# Altium PCB LimeSDR-QPCIe_1v2.PcbDoc (part 20 of 21)
Units mm, origin at the board's own origin, x right, y up, seen from the top; angles counter-clockwise.
Board outline 190 x 111.15 mm, 14 copper layers (Top, L2, L3, L4, L5, L6, L7, L8, L9, L10, L11, L12, L13, Bottom), stack 1.907 mm thick; 2014 components, 1408 nets, 9111 pads, 4171 vias.
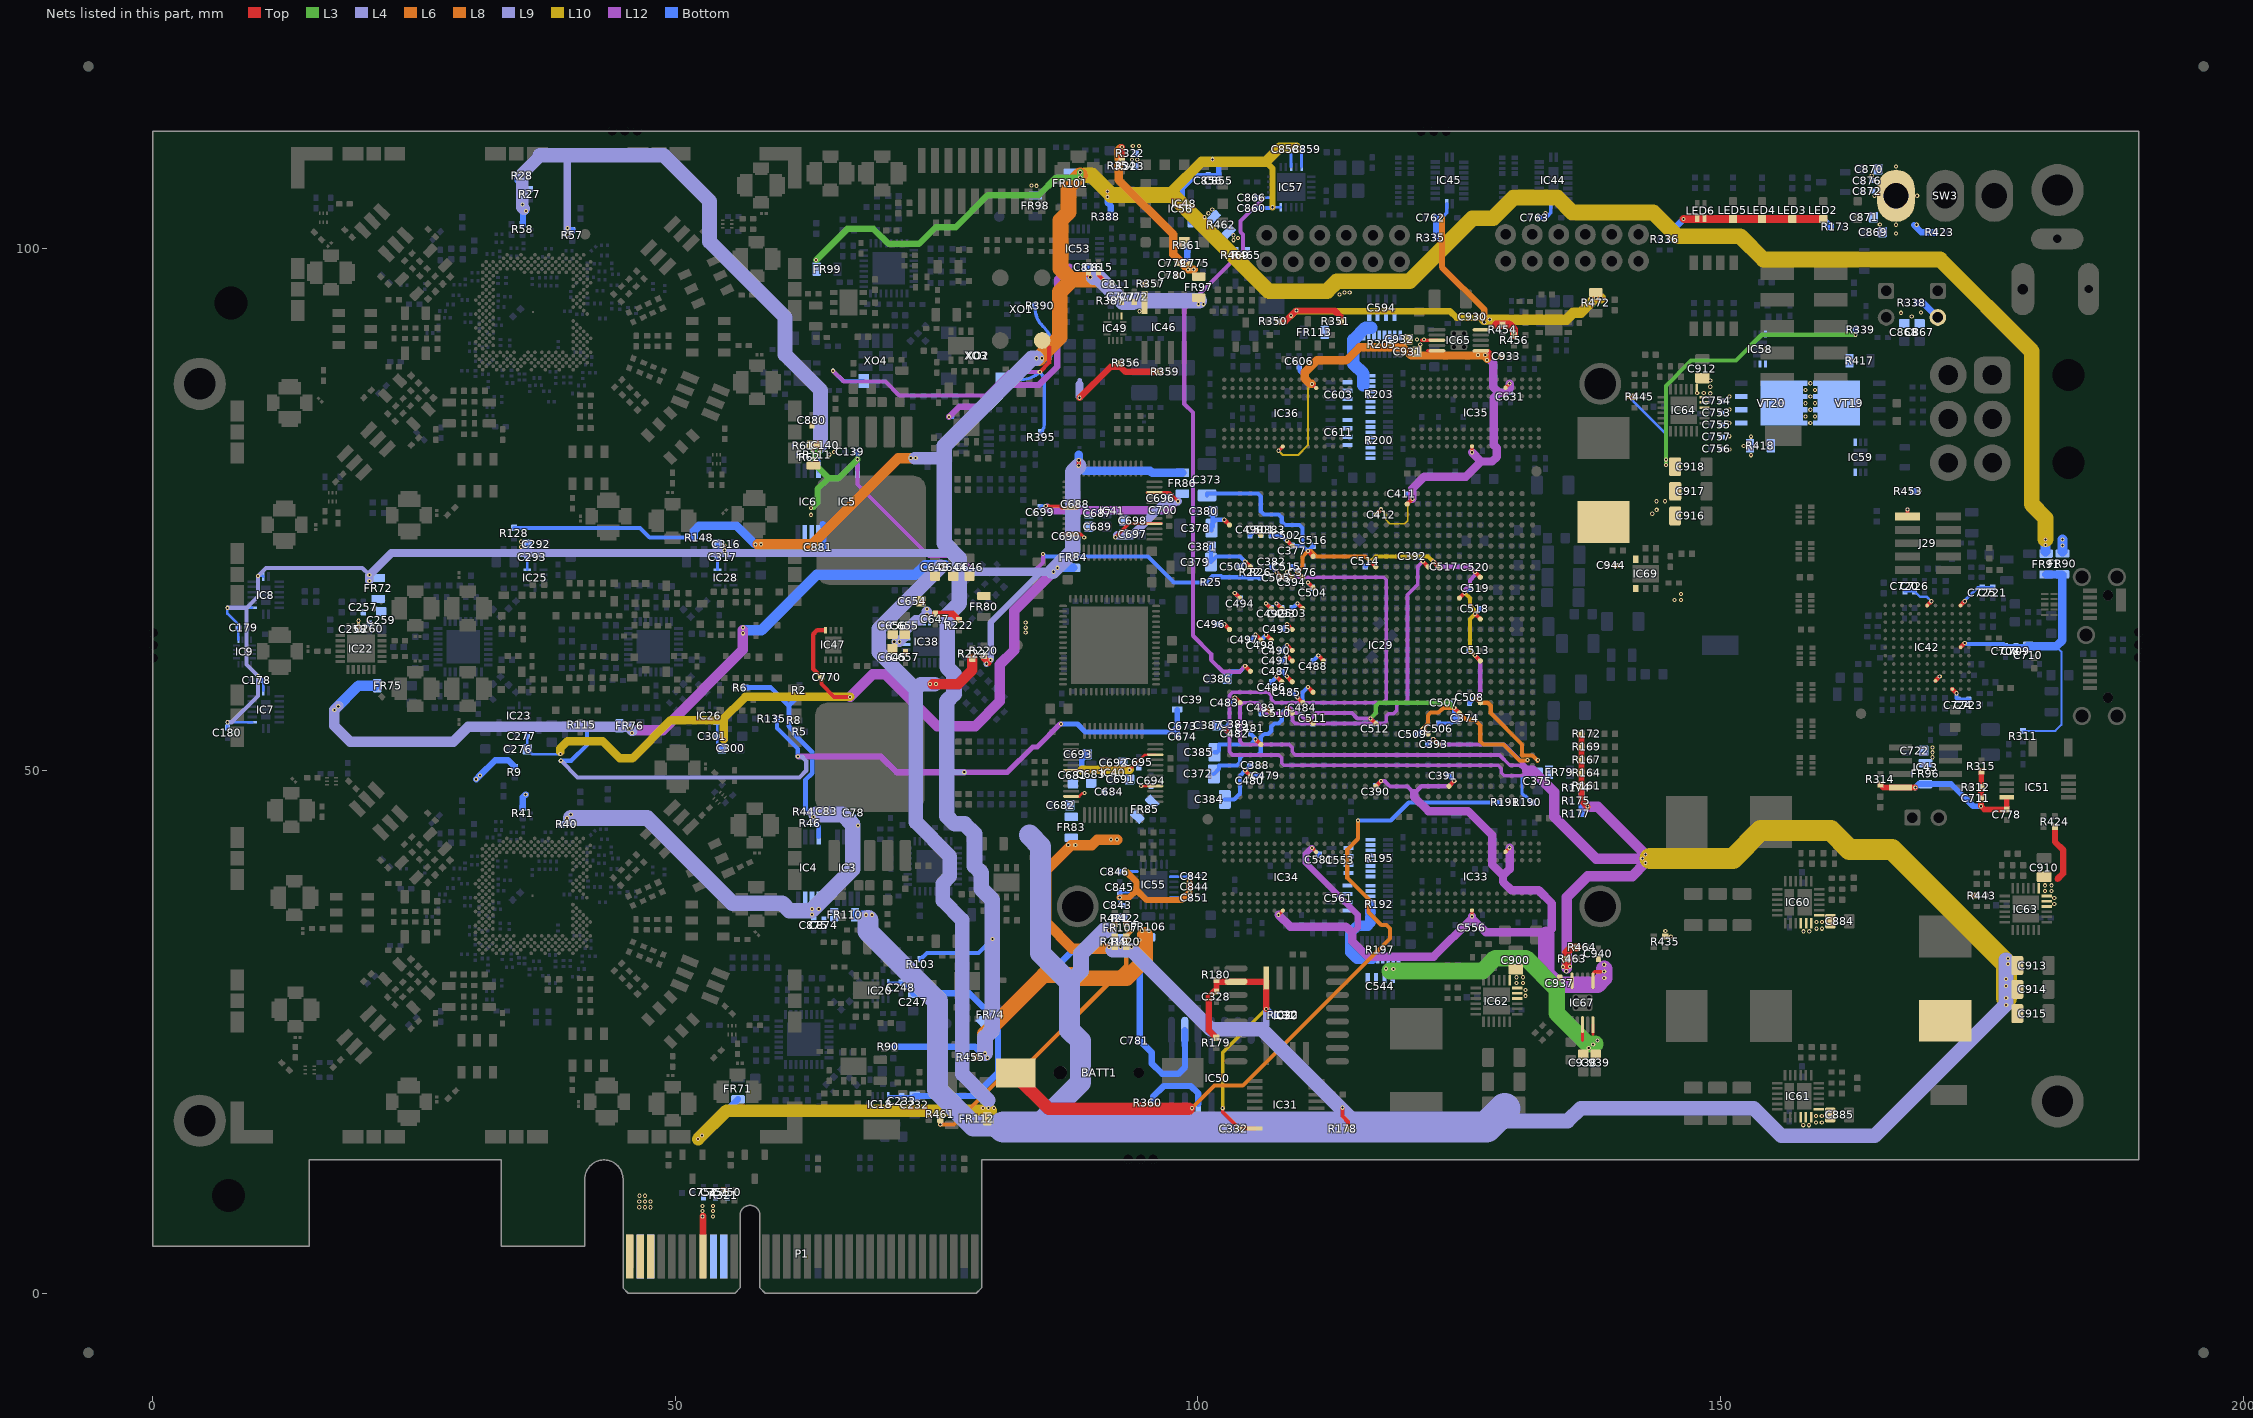
[diagram p32: the nets of this part, all layers, seen from the top]

## Via types
v1: diameter 0.4, hole 0.2, Top to Bottom, tented both sides, 3282 vias
v2: diameter 0.4, hole 0.2, Top to Bottom, tented top, 531 vias
v3: diameter 0.35, hole 0.2, Top to Bottom, tented top, 210 vias
v4: diameter 0.5, hole 0.2, Top to Bottom, tented both sides, 99 vias
v5: diameter 0.5, hole 0.2, Top to Bottom, tented bottom, 49 vias

## Nets (pads, with @x,y where several pads share a name; then routed paths per layer and width w, separated by ;. In a path a pad name is that pad's centre, name@x,y a point inside that pad or via, vN(x,y) a via of type N, cw(c..) or ccw(c..) an arc to the next point about the centre after c; other vN are vias at no path point) (continued)
VCC2P5H_FPGA: C372.2 C373.2 C374.2 C375.2 C376.2 C377.1 C506.1 C507.1 C508.1 C509.1 C510.1 C511.1 C512.1 C513.1 C514.1 C515.1 C516.1 C517.1 C518.1 C519.1 C520.1 FR79.2 IC29.AB6 IC29.AB23 IC29.AC10 IC29.AC16 IC29.AD22 IC29.G11 IC29.H16 IC29.H22 IC29.J8 IC29.J24 IC29.K6 IC29.P6 IC29.V6 IC29.Y8 R190.1 | length 128.2
  Top w0.4: v1(108.525,56) IC29.J24@109.025,55.5 ; v1(109.525,69) IC29.AB23@110.025,68.5 ; v1(110.525,55) IC29.H22@111.025,54.5 ; v1(110.525,71) IC29.AD22@111.025,70.5 ; v1(116.525,55) IC29.H16@117.025,54.5 ; v1(116.525,70) IC29.AC16@117.025,69.5 ; v1(121.525,54) IC29.G11@122.025,53.5 ; v1(122.525,70) IC29.AC10@123.025,69.5 ; v1(124.525,56) IC29.J8@125.025,55.5 ; IC29.Y8@125.025,66.5 v1(125.525,67) ; v1(126.525,57) IC29.K6@127.025,56.5 ; v1(126.525,61) IC29.P6@127.025,60.5 ; v1(126.525,65) IC29.V6@127.025,64.5 ; v1(126.525,69) IC29.AB6@127.025,68.5
  L3 w0.4: v1(116.525,55) 117.025,55.5 117.025,56.207 117.318,56.5 124.025,56.5 v1(124.525,56)
  L6 w0.4: v1(109.525,69) 110.025,69.5 110.025,70.5 v1(110.525,71) 110.825,71 111.325,70.5 116.025,70.5 v1(116.525,70) ; v1(121.525,54) 122.025,54.5 122.025,55.3 122.275,55.55 123.025,55.55 123.475,56 v1(124.525,56) 125.65,54.875 126.475,54.875 127.025,54.325 127.025,52.793 127.318,52.5 127.4,52.5 129.25,52.5 130.775,50.975 v1@131.525,50.975 ; v1(126.525,57) 127.025,56.5 127.732,56.5 128.025,56.207 128.025,55.5 131.025,52.5 131.025,51.45 132,51.45 v1@132.5,50.95
  L10 w0.4: v1(116.525,70) 117.025,70.5 122.025,70.5 v1(122.525,70) ; v1(125.525,67) 126.025,66.5 126.025,65.793 126.525,65.293 v1(126.525,65) 126.025,64.5 126.025,61.5 v1(126.525,61)
  L12 w0.35: 108.805,56 108.853,56 109.348,55.505 109.67,55.505
  L12 w0.39: v1(108.525,56) 108.805,56 ; 109.67,55.505 110.175,55 v1(110.525,55) 110.825,55 111.32,55.495 114.755,55.495 115.25,55 v1(116.525,55)
  L12 w0.4: v1(122.525,70) 123.025,69.5 126.025,69.5 v1(126.525,69) 126.525,68.707 126.025,68.207 126.025,67.793 125.525,67.293 v1(125.525,67) ; v1(126.525,57) 127.025,57.5 127.025,60.5 v1(126.525,61)
  Bottom w0.3: 131.475,49.825 131,49.35 131,47.825 131.275,47.55 131.4,47.55 R190.1@132,46.95
  Bottom w0.4: C373.2@100.875,76.325 100.875,76.5 105.75,76.5 106.025,76.225 106.025,74.793 106.318,74.5 107.732,74.5 108.025,74.207 108.025,73.793 108.318,73.5 109.732,73.5 110.025,73.207 110.025,71.5 ; C372.2@101.525,49.675 102.025,50.175 102.025,50.5 103.732,50.5 104.025,50.793 104.025,51.207 104.318,51.5 105.732,51.5 106.025,51.793 106.025,53.207 106.318,53.5 106.732,53.5 107.025,53.793 107.025,54.207 107.318,54.5 107.732,54.5 108.025,54.793 108.025,55.5 v1(108.525,56) ; C515.1@109,69.525 v1(109.525,69) 110.025,69.5 C376.2@110.05,69.5 ; C377.1@109.025,71.525 109.025,71.5 110.025,71.5 ; v1(110.525,55) C511.1@111,54.525 ; C516.1@111.05,71.525 v1(110.525,71) 110.025,71.5 ; C514.1@116.025,69.525 116.05,69.525 v1(116.525,70) ; v1(116.525,55) 116.975,54.55 C512.1@116.975,54.5 ; C509.1@121.05,53.5 121.525,53.975 v1(121.525,54) ; v1(122.525,70) 122.55,70 C517.1@123.05,69.5 ; C506.1@123.025,54.5 124.175,54.5 C374.2@124.675,55 124.525,55.15 v1(124.525,56) 124.525,56.025 C507.1@124.05,56.5 ; v1(125.525,67) 125.975,67.45 C519.1@126.025,67.45 ; C508.1@126,56.5 126.025,56.5 v1(126.525,57) ; C513.1@126.025,61.525 126.525,61.025 v1(126.525,61) ; C520.1@126.025,69.475 126.5,69 v1(126.525,69) ; v1(126.525,65) C518.1@127,65.475
  other v1: 131.525,51 132.525,51
VCC3P0_BATT: BATT1.POSITIVE IC50.14 R191.1 R360.2 | length 78.5
  Top w1.2: BATT1.POSITIVE@82.575,21.075 82.575,20.8 85.75,17.625 99.125,17.625
  L8 w0.4: v1(99.425,17.7) 101.6,19.875 104.3,19.875 118.375,33.95 118.375,34.9 118.05,35.225 117.55,35.225 116.325,36.45 116.325,37.7 114.3,39.725 114.3,42.45 115.325,43.475 v1(115.325,45.225)
  Bottom w0.4: v1(115.325,45.225) 118.45,45.225 120.175,46.95 R191.1@128.9,46.95
  Bottom w0.6: R360.2@95.7,18.2 95.7,18.8 96.725,19.825 99.325,19.825 100.04,19.11 IC50.14@100.04,18.095
VCC3P3: C178.2 C179.2 C180.2 C232.2 C233.1 C247.2 C248.1 C276.2 C277.1 C292.2 C293.1 C300.2 C301.1 C316.2 C317.1 C328.1 C332.1 C392.1 C393.1 C394.1 C711.1 C762.1 C763.1 C770.1 C772.1 C777.1 C778.1 C781.1 C913.2 C914.2 C915.2 C930.2 C937.2 C944.2 FR72.1 FR83.1 FR84.1 FR85.1 FR86.1 FR90.2 FR96.1 FR105.1 FR108.1 FR109.1 IC7.10 IC7.16 IC8.10 IC8.16 IC9.13 IC18.4 IC20.4 IC23.4 IC25.4 IC26.4 IC28.4 IC29.AB24 IC29.AC11 IC29.F10 IC30.8 IC31.16 IC32.2 IC43.8 IC44.1 IC45.1 IC46.8 IC47.8 IC49.13 IC50.2 IC51.8 IC65.10 IC67.10 IC69.1 IC69.6 J29.1 L5.2 LED2.A LED3.A LED4.A LED5.A LED6.1 LED6.2 R161.1 R164.1 R167.1 R169.1 R172.1 R173.2 R174.1 R175.1 R177.1 R178.2 R179.2 R180.2 R181.2 R220.2 R312.2 R314.2 R315.2 R322.1 R335.2 R336.2 R350.1 R351.1 R356.2 R357.2 R359.2 R419.2 R420.2 R443.1 R453.2 R454.1 R456.1 R463.1 R464.1 R472.2 | length 827.7
  Top w0.309: v1(173.963,38.05) R443.1@174.513,38.05
  Top w0.35: v1(102.375,17.7) 102.375,17.325 C332.1@103.95,15.75 IC31.16@105.45,15.75
  Top w0.4: IC47.8@64.275,63.425 63.575,63.425 63.2,63.05 63.2,59.725 C770.1@63.975,58.95 63.975,58.275 65.2,57.05 v1(66.725,57.05) ; v1(88.6,79.175) v1(88.6,79.695) ; v1(108.525,69) IC29.AB24@109.025,68.5 ; v1(113.825,17.75) 113.825,16.95 114.375,16.4 R178.2@114.375,15.75 ; v1(121.525,70) IC29.AC11@122.025,69.5 ; v1(122.525,53) IC29.F10@123.025,52.5 ; J29.1@167.9,74.3 v1(167.9,74.975)
  Top w0.55: R314.2@165.31,48.665 165.58,48.395 IC43.8@167.225,48.395 v1(168.645,48.395) ; R312.2@174.94,48.395 C711.1@174.94,47.36 v1(174.94,46.585) 175.25,46.275 C778.1@177.4,46.275 IC51.8@177.4,47.25 ; R312.2@174.95,48.405 R315.2@174.95,49.935
  Top w0.6: R220.2@79.525,60.975 79.525,60.775 79.975,60.325 ; v1(88.675,85.67) 91.655,88.65 92.59,88.65 93.075,88.165 R359.2@96.425,88.165 ; R179.2@101.75,24.45 101.05,25.15 101.05,28.375 C328.1@101.775,29.1 ; C328.1@101.775,28.875 C328.1@101.775,29.1 ; v1(106.545,27.205) 106.545,29.8 IC32.2@103.65,29.8 101.95,29.8 R180.2@101.775,29.975 C328.1@101.775,29.1 ; R350.1@107.725,92.975 108.375,92.975 v1(109.425,94.025) 113.075,94.025 113.675,93.425 R351.1@113.675,92.975 ; R172.1@136.7,53.522 R169.1@136.7,52.286 R167.1@136.7,51.047 R164.1@136.7,49.797 R161.1@136.7,48.55 136.7,47.125 v1(137.275,46.55)
  Top w0.8: 128.525,92.675 129.8,92.675 130.25,92.225 R456.1@130.25,91.675 ; 135.3,31.35 135.3,32.625 135.75,33.075 R464.1@136.3,33.075 ; v1(146.475,102.775) LED4.A@153.975,102.775 LED3.A@156.875,102.775 LED2.A@159.85,102.775
  L6 w0.6: v1(123.35,102.9) 123.35,98.175 127.4,94.125 v1(127.4,93.45)
  L6 w1: v1(92.275,43.4) 90.375,43.4 89.85,42.875 87.875,42.875 85.475,40.475 85.475,35.475 87.975,32.975 93.4,32.975
  L4 w0.6: v1(79.775,60.225) 80.175,60.625 80.175,64.175 85.025,69.025 v1(86.2,69.025) v1(86.575,69.4) ; 106.113,25.237 106.545,25.67 v1(106.545,27.205)
  L4 w1.4: 91.85,32.8 93.675,32.8 101.238,25.237 106.113,25.237 114.875,16.475 135.4,16.475 136.625,17.7 153.182,17.7 155.807,15.075 164.775,15.075 177.325,27.625 177.325,31.9
  L4 w1.5: v1@86.125,69.1 88.025,71 88.025,78.6 v1(88.6,79.175)
  L10 w0.35: v1(102.375,17.7) 102.375,23.035 v1(106.545,27.205)
  L10 w0.6: v1(108.925,93.525) 109.35,93.95 124.125,93.95 124.75,93.325 127.225,93.325 127.4,93.15
  L10 w0.8: 39,51.775 39,52.15 39.65,52.8 43.075,52.8 44.7,51.175 45.9,51.175 49.55,54.825 54.475,54.825 56.7,57.05 v1(66.725,57.05) ; v1@54.65,52.975 54.65,55
  L10 w1: 127.4,93.15 v1(127.925,93.15) 135.225,93.15 135.9,93.825 136.65,93.825 138.025,95.2 v1(138.55,95.2)
  L10 w2: 143.275,41.6 151.2,41.6 153.85,44.25 160.55,44.25 162.35,42.45 166.4,42.45 177.35,31.5 v1@177.35,28.25
  L12 w0.35: v1(108.525,69) 109.025,68.5 117.775,68.5 118.025,68.25 118.025,56.828 117.697,56.5 107.35,56.5 107.025,56.825 107.025,57.172 106.697,57.5 103.318,57.5 103.025,57.207 103.025,51.793 103.318,51.5 107.75,51.5 108.025,51.225 108.025,50.7 108.225,50.5 128.732,50.5 129.025,50.207 129.025,49.793 129.318,49.5 131.025,49.5 131.525,50 ; v1(121.525,70) 121.025,69.5 121.025,67.793 120.05,66.818 120.05,56.775 119.75,56.475 119.225,56.475 119.025,56.275 119.025,55.75 118.725,55.45 118.25,55.45 118.025,55.225 118.025,54.7 117.825,54.5 109.325,54.5 109.05,54.775 109.05,55.167 108.717,55.5 106.318,55.5 106.025,55.793 106.025,56.207 105.732,56.5 104.318,56.5 104.025,56.207 104.025,52.793 104.318,52.5 108.732,52.5 109.025,52.207 109.025,51.793 109.318,51.5 109.732,51.5 128.85,51.5 129.85,50.5 130.85,50.5
  L12 w0.4: v1(122.525,53) 123.025,52.5 129.3,52.5 131.4,50.4 ; 130.85,50.5 131.15,50.2
  L12 w1: v1(66.725,57.05) 68.9,59.225 70.1,59.225 75.07,54.255 78.68,54.255 81.05,56.625 81.05,60.15 82.425,61.525 82.425,65.275 86.35,69.2 ; 131.525,50 132.05,50 134.1,47.95 134.1,45.6 138.125,41.575 142.825,41.575 ; 135.275,31.1 135.275,37.875 137.3,39.9 141.55,39.9 v1(142.825,41.175) v1(142.825,41.975) 138.25,46.55 v1(137.275,46.55)
  L9 w0.4: v1(7.15,54.625) 7.55,54.625 10.075,57.15 10.075,59.05 8.975,60.15 8.975,65.575 ; v1(7.15,65.575) 8.975,65.575 ; v1(20.725,68.7) 20.05,69.375 10.826,69.375 v1(10.077,68.625) 10.077,66.677 8.975,65.575 ; 88.675,86.85 88.675,87.35 88.7,87.375
  L9 w0.8: v1(20.725,68.15) v1(20.725,68.7) 22.84,70.815 76.185,70.815 77.975,69.025 v1(86.2,69.025) v1(86.575,69.4) ; v1@88.675,85.795 88.675,86.975
  Bottom w0.25: C180.2@7.15,54.125 v1(7.15,54.625) IC7.10@9.526,54.625 ; IC9.13@8.2,62.525 8.2,63.975 7.15,65.025 v1(7.15,65.575) IC8.10@9.526,65.575 ; v1(10.077,68.625) 10.526,68.625 IC8.16@10.576,68.575 ; IC7.16@10.576,57.625 C178.2@10.576,58.549
  Bottom w0.258: IC23.4@35.822,54.485 C277.1@35.822,53.271 C276.2@35.822,52.056 36.304,51.575 v1(39,51.575) ; IC25.4@35.832,69.218 C293.1@35.832,70.432 C292.2@35.832,71.646 ; IC26.4@54.022,54.485 C301.1@54.022,53.271 54.022,52.603 C300.2@54.475,52.15 ; IC28.4@54.032,69.218 C317.1@54.032,70.432 C316.2@54.032,71.646 ; IC18.4@70.365,18.853 72.897,18.853 C232.2@72.9,18.856 ; IC20.4@70.375,29.7 C248.1@71.589,29.7 71.75,29.7 C247.2@72.75,28.7
  Bottom w0.35: C762.1@122.775,102.9 v1(123.35,102.9) 123.825,103.375 IC45.1@123.825,104.25 ; C763.1@132.725,102.9 133.3,102.9 133.5,103.1 133.775,103.375 IC44.1@133.775,104.25
  Bottom w0.4: v1(10.075,59.025) 10.45,58.65 C178.2@10.475,58.65 ; v1(88.675,85.67) FR108.1@88.675,86.345 ; v1(108.525,69) 108.525,68.975 C394.1@109,68.5 ; C392.1@121.025,70.5 v1(121.525,70) ; C393.1@122.05,52.5 122.05,52.525 v1(122.525,53) ; R453.2@168.45,76.725 v1(169.025,76.725)
  Bottom w0.55: v1(168.645,48.395) 168.961,48.711 FR96.1@169.615,48.711 172.064,48.711 174.19,46.585 v1(174.94,46.585) v1@174.94,46.59
  Bottom w0.6: C247.2@72.75,28.7 78.125,28.7 81.025,25.8 ; C232.2@72.9,18.856 78.631,18.856 80.875,21.1 80.875,25.65 81.025,25.8 ; IC50.2@98.75,23.7 IC50.2@98.75,25.15 ; IC50.2@98.77,24.33 IC50.2@98.77,23.025 98.77,21.62 98.15,21 96.575,21 95.6,21.975 95.6,23.025 C781.1@94.45,24.175 94.45,32.325 93.65,33.125 88.35,33.125 81.025,25.8 ; v1(106.545,27.205) 107.175,26.575 R181.2@107.525,26.575 ; R335.2@122.775,101 C762.1@122.775,102.9 ; R177.1@136.703,45.883 R175.1@136.703,47.13 R174.1@136.703,48.377 ; R336.2@145.175,100.85 145.175,101.475 v1(146.475,102.775) 159.8,102.775 R173.2@160.55,102.025
  Bottom w0.8: v1@86.3,69.05 86.65,69.4 FR84.1@88.1,69.4 ; 88.6,80.211 v1(88.6,79.695) v1(88.6,79.175) 89.075,78.7 95.425,78.7 95.625,78.5 FR86.1@98.525,78.5
  Bottom w1: FR90.2@182.725,71 v1@182.725,72.075
  other v1: 177.337,27.575 177.337,28.25 177.312,29.4 177.312,30.075 135.25,30.8 134.925,31.225 135.6,31.25 177.513,31.5 177.513,32.025 91.5,33.125 92.6,33.15 93.65,33.15 142.525,41.575 87.6,42.875 88.275,42.875 91.675,43.4 54.7,52.975 80.175,60.6 145.6,66.325 146.225,66.325 146.225,66.9 54.7,71.075 35.225,71.4 54.7,71.55 182.725,71.55 35.225,71.9 182.725,72.1 127.4,92.9 94.425,93.95 137.6,95.2 138.075,95.2 133.25,103.35 93.775,109.75 94.375,109.75
VCC3P3_CLK: C673.1 C674.2 C811.2 C815.1 C816.1 C855.1 C856.2 C858.1 C859.1 C860.1 FR74.1 FR91.2 FR97.1 FR99.1 FR101.1 FR106.1 IC39.1 IC53.16 IC53.17 IC56.1 IC57.10 IC57.18 IC57.20 R90.2 R103.2 R115.2 R128.2 R135.2 R148.2 R387.2 R388.2 R455.1 R462.1 | length 470
  Top w0.4: C816.1@89.525,97.65 89.525,97.375 v1(89.7,97.2) ; C815.1@90.5,97.65 90.5,97.425 v1(90.975,96.95)
  L3 w0.6: v1(63.475,98.85) 66.475,101.85 68.949,101.85 70.399,100.4 73.325,100.4 74.925,102 76.825,102 79.875,105.05 84.775,105.05 86.475,106.75 v1(88.75,106.75) v1(88.75,107.25)
  L6 w1: 57.9,71.65 63.1,71.65 71.35,79.9 72.775,79.9
  L6 w1.5: 79.625,24.275 79.625,24.8 85.275,30.45 88.3,30.45 88.625,30.125 93.175,30.125 94.95,31.9 94.95,34.3
  L4 w0.4: v1(39.05,50.95) 40.65,49.35 61.892,49.35 62.525,49.983 62.525,50.925 62.1,51.35 v1(61.725,51.35)
  L4 w0.5: 75.95,49.85 75.975,49.85 v1(77.65,49.85)
  L4 w1.2: v1@72.9,79.9 v1(73,79.9) 75.375,79.9
  L4 w1.5: v1(79.625,22.95) 79.625,24.475 80.325,25.175 80.325,37.65 79.275,38.7 79.275,40.225 78.625,40.875 78.625,43.95 77.675,44.9 76.725,44.9 75.975,45.65 75.975,49.85 75.975,56.625 76.675,57.325 76.675,59.225 76.025,59.875 76.025,64.85 77.175,66 77.175,70.3 75.725,71.75 75.725,81.05 84.125,89.45 v1(84.55,89.45) ; 90.05,97.2 90.465,97.2 92.84,94.825 93.825,94.825 93.95,94.95 100.125,94.95
  L10 w0.6: 106.5,108.25 107.15,107.6 v1(107.15,103.9)
  L10 w1: 97.57,105.075 97.57,105.455 100.365,108.25 106.5,108.25 107.85,109.6 109.425,109.6
  L10 w1.5: 89.175,106.975 89.825,106.975 91.725,105.075 97.57,105.075 106.77,95.875 112.35,95.875 113.3,96.825 120.25,96.825 126.275,102.85 128.25,102.85 130.225,104.825 134.4,104.825 135.825,103.4 143.575,103.4 145.85,101.125 151.9,101.125 154.125,98.9 171,98.9 179.775,90.125 179.775,75.475 181.1,74.15 v1(181.1,72.125)
  L12 w0.5: v1(77.65,49.85) 81.797,49.85 84.203,52.256 84.628,52.256 86.822,54.45 v1(86.9,54.45)
  L12 w0.6: v1@61.8,51.35 69.675,51.35 71.175,49.85 v1(77.65,49.85)
  L8 w1.5: 84.8,89.475 86.8,91.475 86.8,95.825 87.925,96.95 ; 88.75,106.975 87.625,105.85 87.625,103.425 86.85,102.65 86.85,98.025 87.925,96.95 ; 90.525,96.95 87.925,96.95
  Bottom w0.254: v1(107.15,103.9) IC57.10@107.925,103.9
  Bottom w0.3: C858.1@108.9,109.45 108.925,109.425 IC57.18@108.925,107.75 ; IC57.20@109.925,107.75 C859.1@109.925,109.45
  Bottom w0.4: R128.2@34.575,73.225 46.625,73.225 47.55,72.3 R148.2@51.775,72.3 ; v1(39.05,50.95) 40.05,50.95 41.54,52.44 R115.2@41.54,54.41 ; R135.2@59.74,54.985 59.74,54.06 61.725,52.075 v1(61.725,51.35) ; R103.2@73.482,31.957 74.075,32.55 79.025,32.55 v1(80.35,33.875) ; C860.1@105.675,103.825 107.075,103.825 v1(107.15,103.9)
  Bottom w0.5: v1(86.9,54.45) 88.475,54.45 89.225,53.7 97.519,53.7 C673.1@98.019,54.2 ; IC39.1@98.019,55.85 C673.1@98.019,54.2 ; C674.2@98.069,53.25 98.019,53.3 C673.1@98.019,54.2 ; C673.1@98.069,54.25 C673.1@98.019,54.2 ; IC56.1@99.325,102.475 99.325,103.45 98.525,104.25 98.525,105.725 99.75,106.95 C856.2@101,106.95 102.003,106.95 102.003,107.897 v1(101.412,108.487)
  Bottom w0.6: R90.2@70.865,23.571 78.679,23.571 79.575,22.675 ; 89.2,98.025 IC53.16@89.5,98.025 ; IC53.16@89.55,98.025 89.975,98.025 91.675,96.325 R387.2@91.675,95.475 ; v1(91.35,105.4) 91.35,104.35 91.675,104.025 R388.2@91.675,102.975 ; C858.1@108.9,109.45 C859.1@109.925,109.45
  Bottom w0.8: R148.2@51.775,72.3 51.775,72.925 52.275,73.425 55.875,73.425 57.65,71.65 v1(58.2,71.65)
  Bottom w1: FR91.2@181.1,70.975 v1@181.1,72.1
  other v1: 79.35,22.525 79.875,22.525 94.4,33.8 94.65,34.675 95.325,34.675 181.1,71.575 57.675,71.65 72.525,79.9 85.075,89.45 100.05,94.625 100.55,94.625 100.625,102.95 101,103.325 101.375,103.7 91.35,104.9 109.413,109.35 109.4,109.85
VCC3P3_FX3: C720.1 C721.2 C722.2 C723.1 C724.2 C725.1 C726.2 FR96.2 IC42.B1 IC42.C11 IC42.E10 IC42.F1 | length 10.1
  Top w0.4: IC42.F1@169.775,65.8 v1(170.175,66.2) ; IC42.E10@170.575,58.6 v1(170.975,59) ; IC42.C11@172.175,57.8 v1(172.575,57.4) ; IC42.B1@172.975,65.8 v1(173.375,66.2)
  Bottom w0.23: C720.1@167.65,67.15 C726.2@168.575,67.15 169.11,66.615 169.76,66.615 v1(170.175,66.2)
  Bottom w0.3: v1(173.375,66.2) 173.375,66.28 174.62,67.525 C721.2@176.05,67.525
  Bottom w0.4: v1(172.575,57.4) 172.575,56.95 C724.2@172.75,56.775 C723.1@173.75,56.775
  other v1: 170.275,51.275 170.275,51.75 170.275,52.225
VCC3P3_GNSS: C775.2 C779.2 C780.2 FR97.2 IC48.15 R354.1 R361.2 | length 18.7
  Top w0.6: R354.1@92.725,108.35 v1(92.725,109.675)
  L6 w0.8: v1@92.6,109.55 92.425,109.375 92.425,106.525 97.65,101.3 97.65,99.375 v1(99.075,97.95) v1(99.6,97.95)
  Bottom w0.6: R361.2@98.975,99.775 98.975,98.05 v1(99.075,97.95) v1(99.6,97.95)
VCC3P3_PCIE: C750.1 C751.1 C752.1 P1.A9 P1.A10 P1.B8 R321.1 | length 3.8
  Top w0.7: P1.B8@52.65,3.5 v1@52.65,7.35
  other v1: 52.6,7.35 53.6,7.35 52.6,7.85 53.6,7.85 52.6,8.35 53.6,8.35
VCC3P3_RF: C257.2 C258.2 C259.2 C260.2 FR72.2 IC22.16 | length 0.6
  Top w0.3: IC22.16@19.688,63.675 v1@19.688,64.312
  other v1: 19.688,64.337
VCC3P3_XO: FR98.1 FR102.2 R462.2 R465.1 R469.1 | length 22.7
  L12 w0.6: v1(76.195,83.85) 77.17,84.825 80.125,84.825 82.2,86.9 84.8,86.9 86.55,88.65 86.55,97.05 87.725,98.225
  Bottom w0.4: v1(76.195,83.85) FR102.2@76.52,83.85
  other v1: 103.4,100.75 103.825,100.95 103.4,101.225 84.55,105.95 84.075,105.975
VCC3P3A_DAC1: C681.2 C682.2 C683.2 C684.2 FR83.2 IC40.47 | length 1.4
  Top w0.25: IC40.47@87.875,47.525 88.65,47.525 88.975,47.85 v1(89.15,47.85)
VCC3P3A_DAC2: C687.2 C688.2 C689.2 C690.2 FR84.2 IC41.47 | length 2.1
  Top w0.3: IC41.47@87.15,72.625 88.8,72.625 v1(89.125,72.3)
VCC3P3D_DAC1: C691.2 C692.2 C693.2 C694.2 C695.2 FR85.2 IC40.16 IC40.22 IC40.42 | length 11.4
  Top w0.25: IC40.42@87.875,50.025 v1(88.85,50.025) ; v1(93.475,50.075) 94.925,51.525 IC40.22@95.925,51.525 ; v1(94.575,48.525) IC40.16@95.625,48.525
  L10 w0.8: v1(88.85,50.025) 88.9,50.075 v1(93.475,50.075)
  Bottom w0.5: v1@88.9,50.075 88.9,51.075 C693.2@89.4,51.575
VCC3P3D_DAC2: C696.2 C697.2 C698.2 C699.2 C700.2 FR86.2 IC41.16 IC41.22 IC41.42 | length 31.9
  Top w0.3: v1(92.1,72.325) 93.4,73.625 IC41.16@95.85,73.625 IC41.16@96.525,73.625 ; IC41.22@95.15,76.625 97.25,76.625 v1(98.1,75.775)
  Top w0.309: v1(85.45,75.325) 86.75,75.325 86.95,75.125 IC41.42@87.8,75.125 IC41.42@88.475,75.125
  L4 w0.8: 92.275,72.525 93.725,72.525 96.975,75.775 v1(98.1,75.775)
  L12 w0.8: v1@85.575,75.175 85.825,74.925 97.05,74.925 v1@97.9,75.775
  Bottom w0.254: C699.2@84.9,75.225 85,75.325 v1(85.45,75.325)
VCC5P0: C916.2 C917.2 C918.2 FR71.1 FR75.1 FR76.1 FR112.1 FR113.1 L6.2 R223.2 R323.1 R339.2 R445.2 | length 260.2
  Top w0.309: v1(141.225,85.775) R445.2@141.775,85.775
  Top w1: 74.625,58.275 77.075,58.275 78.425,59.625 R223.2@78.425,60.7
  L3 w0.4: v1(144.775,79.225) 144.775,86.8 147.2,89.225 151.475,89.225 153.95,91.7 v1(162.925,91.7)
  L4 w1: v1(17.75,56.15) 17.375,55.775 17.375,54.3 18.9,52.775 28.775,52.775 30.175,54.175 45.5,54.175 45.875,53.8
  L4 w1.4: v1@74.825,58.275 73.475,58.275 73,57.8 ; v1@75.409,69.491 69.475,63.558 69.475,61.325 73,57.8 ; 79.95,18.475 77.45,20.975 77.45,35.7 75.575,37.575 75.575,39.19 76.275,39.89 76.275,41.81 73,45.085 73,57.8
  L10 w1.2: v1(52.187,14.738) 54.925,17.475 80.2,17.475
  L12 w1: 45.825,53.875 48.8,53.875 56.475,61.55 56.475,63.45
  L9 w3: 81.4,15.9 127.6,15.9 129.375,17.675
  Bottom w0.254: v1(141.225,85.775) 144.775,82.225 v1(144.775,79.225)
  Bottom w0.4: v1(162.925,91.7) R339.2@162.925,92.2
  Bottom w0.6: v1(52.187,14.738) v1(52.55,15.1) FR71.1@56,18.55
  Bottom w1: v1(17.375,55.8) 19.689,58.114 FR75.1@21.25,58.114 ; 56.55,63.425 58.25,63.425 63.55,68.725 72.975,68.725 73.9,69.65 v1@75.8,69.65
  other v1: 79.425,17.725 79.95,17.725 80.5,17.725 45.85,53.6 45.55,54 74.375,58.275 74.95,58.275 56.475,63.15 56.475,63.7 75.375,69.525 75.75,69.775 143.475,74.575 143.9,74.95 143.875,75.775 144.7,75.775 144.775,79.75 113.55,95.55 114.025,95.75 114.525,95.75 93.7,108.45 94.2,108.45
VCC12P0: C867.2 C868.2 C869.2 C870.2 C871.2 C872.1 C876.1 C884.2 C885.2 C900.2 C910.2 C912.2 IC58.1 IC58.6 IC59.1 IC59.6 IC60.16 IC60.17 IC60.18 IC60.19 IC61.16 IC61.17 IC61.18 IC61.19 IC62.16 IC62.17 IC62.18 IC62.19 IC63.16 IC63.17 IC63.18 IC63.19 IC64.16 IC64.17 IC64.18 IC64.19 J39.2 R338.2 R417.1 R418.1 R423.1 R424.2 R435.1 SW3.1 VT19.5 VT19.6 VT19.7 VT19.8 VT20.5 VT20.6 VT20.7 VT20.8 | length 10.4
  Top w0.6: R424.2@182,44.625 182,43.2 182.8,42.4 182.8,40.175 182.25,39.625
  Bottom w0.6: 168.525,102.2 169.225,101.5 R423.1@170.5,101.5 ; R338.2@168.8,94.775 169.38,94.775 J39.2@170.8,93.355
  other v1: 157.925,16.075 158.475,16.075 159.15,16.325 159.7,16.325 159.15,16.95 159.7,16.95 131.35,28.45 131.35,29 130.475,29.675 131.1,29.675 130.475,30.225 131.1,30.225 145.25,34.125 157.95,34.625 158.5,34.625 144.725,34.65 159.175,34.875 159.725,34.875 159.175,35.5 159.725,35.5 181.938,37.25 181.938,37.8 181.063,38.475 181.688,38.475 181.063,39.025 181.688,39.025 158.6,83.255 158.15,83.88 159.05,83.88 158.6,84.525 158.15,85.15 159.05,85.15 158.6,85.795 149.025,86.1 147.775,86.125 148.4,86.125 158.15,86.42 159.05,86.42 149.025,86.725 158.6,87.065 149.025,87.325 168.3,93.45 167.275,93.8 169.175,93.825 166.8,101.4 166.8,102.225 168.775,102.225 165.25,102.25 164.725,105 168.825,105 164.475,106.95 166.8,107.8